# Altium PCB HUB V1.3B.240322_TG.PcbDoc (continued)
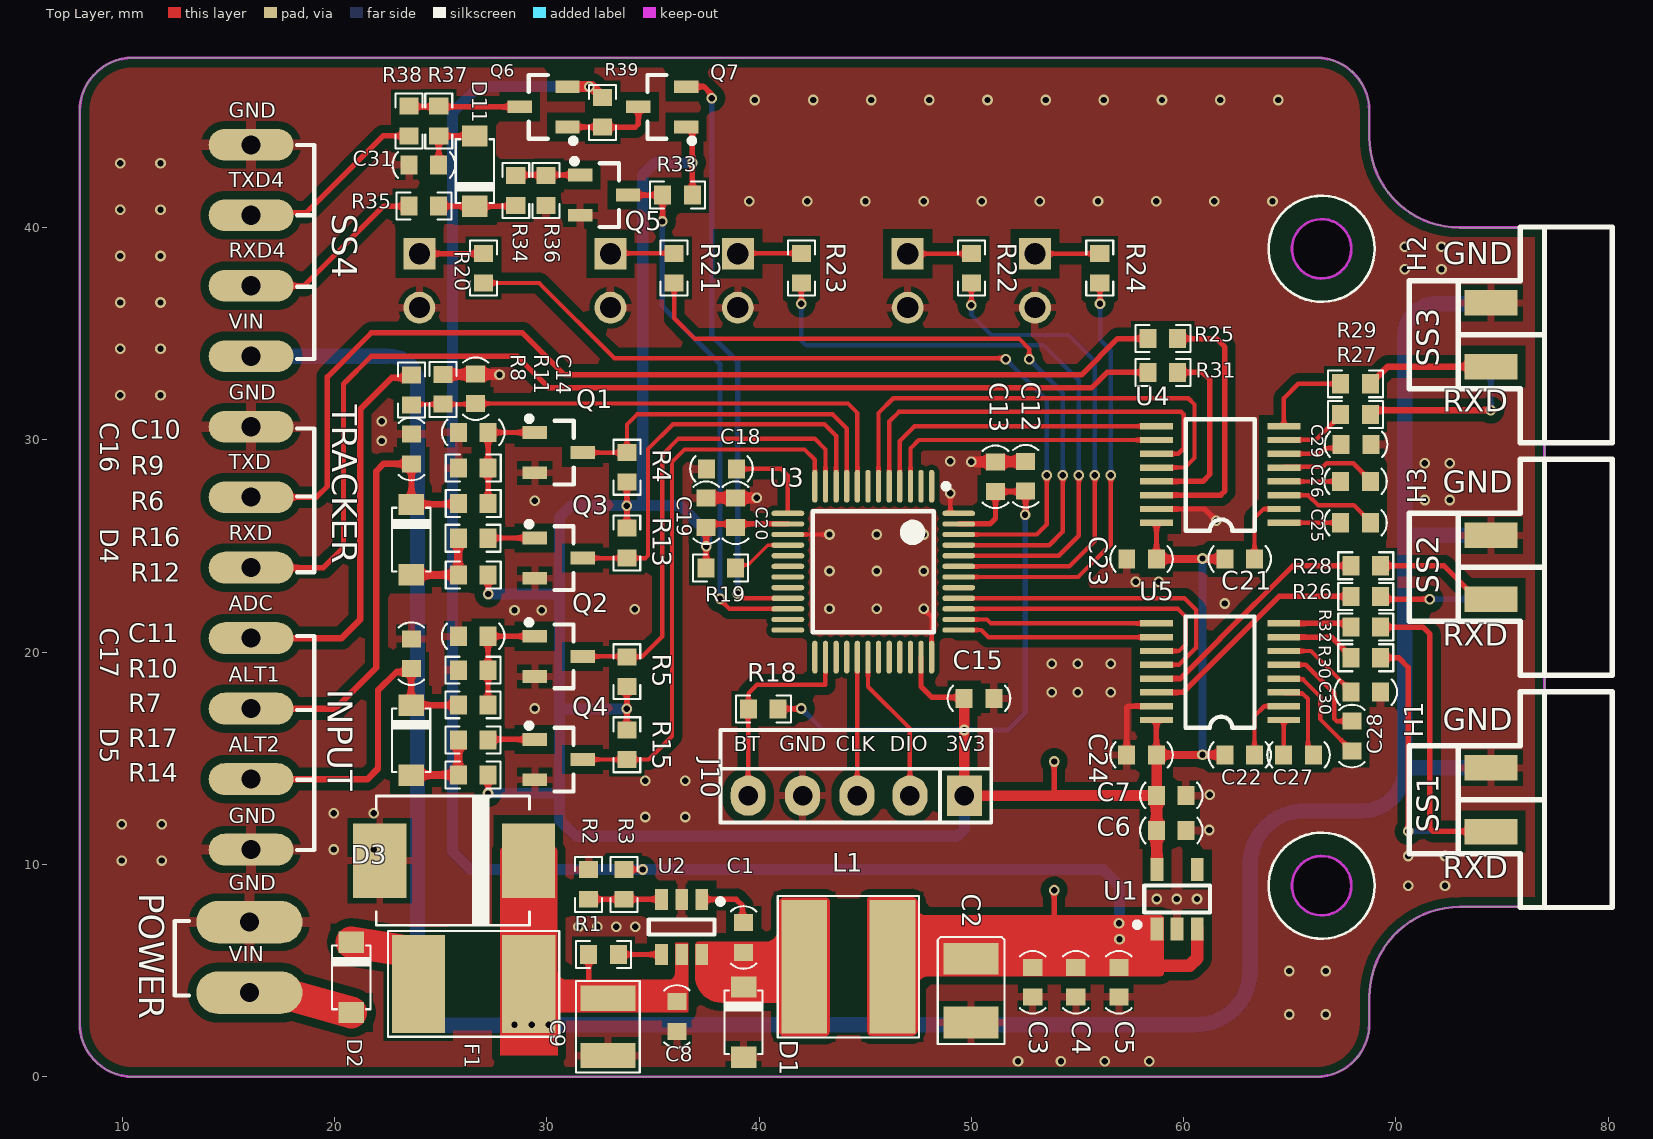
[diagram p0: Top Layer view]
## Footprints (in the part's own frame and the unit in brackets; to place one, negate y for a bottom-side part, rotate by r counter-clockwise, add the part's x,y. Pads: shape width x height; smd on the part's side, far side on the other; paste and mask are expansions set on the pad) (continued)
  oval 4x1.5 hole 0.9 paste-0.75: 1(0,0)
TP1#2 [mm] "TP1, 1mm, 1 layer"
  oval 5x2 hole 0.9 paste-0.75: 1(0,0)
TP1#3 [mm] "TP1, 1mm, 1 layer"
  oval 4x1.5 hole 0.9 paste-0.75: 1(0,0.5)
TSSOP16 [mm] "TSSOP16, 16-Leads, Body 4.4x5.0mm, Pitch 0.65mm, IPC High Density"
  rect 1.55x0.3 smd: 1(-3,2.275) 2(-3,1.625) 3(-3,0.975) 4(-3,0.326) 5(-3,-0.325) 6(-3,-0.975) 7(-3,-1.625) 8(-3,-2.275) 9(3,-2.275) 10(3,-1.625) 11(3,-0.975) 12(3,-0.325) 13(3,0.326) 14(3,0.975) 15(3,1.625) 16(3,2.275)
  silkscreen extent -1.63,-2.6 1.63,2.65, body extent -3.15,-2.5 3.25,2.5, height 1.2

## Part data
C1 C3 C5 C7 C8 C13 C14 C15 C16 C17 C20 C21 C22 C23 C24 C25 C26 C27 C28 C29 C30 C31: library part "Cap 0603 100nF", "CAP CER 100nF 50V C0G/NP0 0603", MFR=SAMSUNG, MPN=CL10C104JB8NNNC, Package=0603, Voltage=50V, Size="C0603: 100nF"
  C1 C3 C8 C13 C15 C16 C17 C20 C21 C22 C23 C24 C25 C26 C27 C28 C29 C30: Company ID="VT_TỤ ĐIỆN_C0603 100nF"
  C5 C7 C14 C31: Company ID="VT_CAP_C0603 100nF"
C2: library part "Cap Tan 3528 100uF/6.3V", "CAP TANT 100UF 6.3V 10% 1411", MFR=Kemet, MPN=T491B107K006AT, Company ID="VT_CAP TAN 100uF 6.3V"
C4 C6: library part "Cap 0603 10uF", "CAP CER 10UF 16V X5R 0603", MFR=Yageo, MPN=EMK107BBJ106MA-T, Package=0603, Company ID="VT_CAP_C0603 10uF", Size="C0603: 10uF"
C9: library part "Cap 1210 3.3uF", "CAP CER 3.3UF 100V X7S 1210", MFR="TDK Corporation", MPN=C3225X7S2A335M200AB, MPN2=885012209071, Company ID="VT_CAP_C1210 3.3uF 100V", Size="C1210: 3.3uF/100V"
C10 C11: library part "Cap 0603 22pF", "CAP CER 22PF 50V C0G/NP0 0603", MFR=SAMSUNG, MPN=CL10C220JB8NNNC, Company ID="VT_TỤ ĐIỆN_C0603 22pF", Size="C0603: 22pF"
C12 C18 C19: library part "Cap 0603 2.2uF", "CAP CER 2.2UF 50V X5R 0603", MFR="Murata Electronics", MPN=GRM188R61H225KE11J, Company ID="VT_CAP_C0603 2.2uF", Size="C0603: 2.2uF"
D1 D2: library part "Diode PMEG6020ER", "DIODE SCHOTTKY 60V 2A SOD123W", MFR=NXP, MPN=PMEG6020ER,115, Company ID=VT_DIODE_PMEG6020ER
D3: "TVS DIODE 33V 36.7V", MFR="Bourns Inc.", MPN=SMCJ33ABTR-ND, Company ID="VT_DIODE_ SMCJ33"
D4 D5 D11: library part "Diode 1N4148", "DIODE GEN PURP 100V 300MA SOD123", MFR=DIODES, MPN=1N4148W-7-F, Company ID=VT_DIODE_1N4148W-7-F
D6 D7 D8: MFR=xx, MPN=xx
  D6: Company ID=VT_LED_3mm_Green
  D7 D8: Company ID=VT_LED_3mm_RED
D9 D10: MFR=China, MPN=xx, Company ID=VT_LED_3mm_Blue
F1: library part "Fuse 60V - 750mA", "PTC RESET FUSE 60V 750MA 2016", MFR="Littelfuse Inc.", MPN=2016L075/60MR, Company ID="VT_Fuse_60V - 750mA"
H1 H2 H3: library part "HD2x2 S", "Micro-Fit 3.0™ Straight Header, 3.00mm Pitch, Dual Row, 4 Circuits", MFR=China, MPN=M3045-2x2-B, MPN2=43045-, Company ID="VT_CONN_2*2 (M3045)"
J1 J2 J3 J4 J5 J6 J7 J8 J9 J11 J12 J13 J14: library part TP, "1mm - 1 layer"
J10: library part JP5, "Jumper 5, 2.54mmx5"
L1: library part "Inductor 33uH, 1.5A", "FIXED IND 33UH 1.5A 286 MOHM SMD", MFR=SunLord, MPN=SWPA6028S330MT, Company ID=VT_IND_33uH/1.5A
Q1 Q2 Q3 Q4: library part "Transistor DTC143Z", "TRANS PREBIAS NPN 200MW SMT3", MFR=Rohm, MPN=DTC143ZKAT146, MPN2=TDTC143Z,LM(T, Company ID=VT_TRANSISTOR_DTC143Z
Q5 Q7: library part "Transistor 2N3904", "TRANS NPN 40V 0.2A SOT-23", MFR=Fairchild, MPN=MMBT3904, Company ID=VT_TRANSISTOR_3904
Q6: library part "Transistor 2N3906", "TRANS PNP 40V 0.2A SOT23", MFR=Fairchild, MPN=MMBT3906, Company ID=VT_TRANSISTOR_3906
R1: library part "Res 0603 1M", "RES SMD 1M OHM 1% 1/10W 0603", MFR=Yageo, MPN=RC0603FR-071ML, Company ID="VT_ĐIỆN TRỞ_R0603 1M"
R2: library part "Res 0603 15K", "RES SMD 15K OHM 1% 1/10W 0603", MFR=Yageo, MPN=RC0603FR-0715KL, Company ID="VT_ĐIỆN TRỞ_R0603 15K", Size="R0603: 15K"
R3: library part "Res 0603 82K", "RES SMD 82K OHM 1% 1/10W 0603", MFR=Yageo, MPN=RE0603FRE0782KL, Company ID="VT_RES_R0603 82K", Size="R0603: 82K"
R4 R5 R6 R7 R8 R11 R12 R13 R14 R15 R16 R17 R18 R19 R33 R34 R36 R37: library part "Res 0603 10K", "RES SMD 10K OHM 1% 1/10W 0603", MFR=Yageo, MPN=RC0603FR-0710KL, Size="R0603: 10K"
  R4 R5 R6 R7 R8 R11 R12 R13 R14 R15 R16 R17 R19: Company ID="VT_ĐIỆN TRỞ_R0603 10K"
  R18 R33 R34 R36 R37: Company ID="VT_RES_R0603 10K"
R9 R10: library part "Res 0603 5.6K", "RES SMD 5.6K OHM 1% 1/10W 0603", MFR=Yageo, MPN=RC0603FR-075K6L, Company ID="VT_ĐIỆN TRỞ_R0603 5.6K", Size="R0603: 5.6K"
R20 R21 R22 R23 R24 R25 R26 R27 R28 R29 R30 R31 R32 R35 R38 R39: library part "Res 0603 1K", "RES SMD 1K OHM 1% 1/10W 0603", MFR=Yageo, MPN=RC0603FR-071KL, Size="R0603: 1K"
  R20 R21 R22 R23 R24 R25 R26 R27 R28 R29 R30 R31 R32: Company ID="VT_RES_R0603 1K"
  R35 R38 R39: Company ID="VT_ĐIỆN TRỞ_R0603 1K"
U1: "IC REG LINEAR 3.3V 300MA SOT23-5", MFR=TI, Company ID=VT_IC_TLV73333, MPN=TLV73333PDBVR
U2: "52V/600mA, 1.25MHz/550kHz / Asynchronous Step Down Converter", MFR=Holtek, Company ID=VT_IC_HT7463A/HT7463B, MPN=HT7463A/HT7463B
U3: library part "HT32F52253 48 LQFP-A", "HT32F52253 48 LQFP-A", MFR=Holtek, Company ID="VT_IC_HT32F52253_48 LQFP-A", MPN="HT32F52253 48 LQFP-A"
U4 U5: library part MAX3232IPW, "IC DRVR/RCVR MLTCH RS232 16TSSOP", MFR=TI, MPN=MAX3232IPWR, Company ID=VT_IC_MAX3232IPW

## Via types
v1: diameter 0.5, hole 0.3, Top Layer to Bottom Layer, tented both sides, 142 vias

## Nets (pads, with @x,y where several pads share a name; then routed paths per layer and width w, separated by ;. In a path a pad name is that pad's centre, name@x,y a point inside that pad or via, vN(x,y) a via of type N, cw(c..) or ccw(c..) an arc to the next point about the centre after c; other vN are vias at no path point)
3V3: C6.2 C7.2 C12.2 C13.1 C15.2 C19.2 C20.1 C21.2 C22.2 C23.1 C24.1 J10.1 Q7.1 R4.2 R5.2 R12.2 R13.2 R14.2 R15.2 R18.1 R19.1 R33.2 U1.5 U3.14 U3.35 U3.47 U4.16 U5.16 | length 86.2
  Top Layer w0.254: v1(27.232,13.342) R14.2 ; v1(27.235,22.738) R12.2 ; R15.2 v1(33.77,17.33) R5.2 ; R13.2 33.775,25.845 v1(33.775,26.9) R4.2 ; Q7.1 36.687,44.74 36.86,44.567 v1(36.86,43.049) R33.2 ; R19.1 37.51,23.99 v1(37.51,24.99) 37.51,25.866 C19.2 37.68,26.04 U3.14 ; R18.1 41.975,17.33 v1(41.99,17.345) ; U3.35 47.63,18.39 48.15,17.87 49.61,17.87 C15.2 ; U3.47 50.87,26.04 51.135,26.305 C13.1 52.532,27.562 C12.2 52.56,26.568 52.53,26.538 v1(52.53,26.476) ; 53.86,13.25 53.9,13.29 v1(53.9,14.85) ; C24.1 U5.16 ; C23.1 U4.16
  Top Layer w0.381: C24.1 v1(60.89,15.16) C22.2 ; C23.1 C21.2
  Top Layer w0.5: C15.2 49.66,13.25 J10.1 54.106,13.24 54.116,13.25
  Top Layer w0.508: 53.86,13.25 54.116,13.25 C7.2 ; C24.1 58.729,15.149 58.729,9.771 U1.5
  Bottom Layer w0.254: v1(41.99,17.345) 43,16.335 v1(49.67,16.335) 51.73,16.335 52.53,17.135 v1(52.53,26.476)
  Bottom Layer w0.381: v1(60.89,15.16) v1(60.89,24.41)
5V: C2.1 C3.2 C4.2 C5.2 L1.2 Q6.2 R3.2 R39.2 U1.1 U1.3 | length 8.2
  Top Layer w0.254: R3.2 34.516,9.76 v1(34.52,9.764) ; 53.9,6.95 v1(53.9,8.79) v1@53.9,8.92
  Top Layer w0.508: Q6.2 v1(31.995,46.64) 32.12,46.64 32.434,46.326 32.434,46.276 32.58,46.13 R39.2
  Top Layer w0.6: 58.729,5.233 60.289,5.233 60.64,5.584 U1.3
  other v1: 56.98,6.478 56.954,7.224
ACT_RXD: H2.2 R29.2 | length 6
  Top Layer w0.3: R29.2 68.794,32.692 69.044,32.942 69.094,32.942 69.602,33.45 H2.2
ACT_TXD: H2.1 R27.2 | length 7.8
  Top Layer w0.3: R27.2 68.993,31.4 v1(74.47,31.4)
  Bottom Layer w0.254: v1(74.47,31.4) 74.47,33.445 H2.1
ADC_5V: J8.1 R8.2 | length 18.5
  Top Layer w0.3: J8.1 20.33,20.66 21.208,21.538 21.208,31.438 22.696,32.926 23.496,32.926 R8.2
ADC_IN: C14.2 R8.1 R11.2 U3.8 | length 24.7
  Top Layer w0.203: R8.1 23.65,31.68 26.62,31.68 C14.2 44.19,31.71 44.63,31.27 U3.8
ALT1: C16.2 D4.2 J6.1 R6.1 | length 21.9
  Top Layer w0.3: J6.1 20.042,17.34 21.97,19.268 21.97,28.53 22.31,28.87 C16.2 D4.2@23.625,26.962 ; D4.2 D4.2@23.625,26.962 ; R6.1 25.813,26.973 23.636,26.973 D4.2@23.625,26.962
ALT2: C17.2 D5.2 J7.1 R7.1 | length 15.8
  Top Layer w0.3: J7.1 21.552,14.02 22.05,14.518 22.05,18.201 22.906,19.057 23.447,19.057 C17.2 23.612,19.222 D5.2 25.812,17.502 R7.1
BOOT: J10.5 R18.2 U3.26 | length 9.9
  Top Layer w0.203: J10.5 39.485,17.315 R18.2 39.5,18.065 39.896,18.461 43.121,18.461 43.121,19.774 U3.26
CB1_ACT: R21.1 U3.45 | length 33.4
  Top Layer w0.203: R21.1 36,36.39 36,35.73 36.96,34.77 52.242,34.77 52.727,34.285 v1(52.727,33.8) ; U3.45 53.669,25.04 54.308,25.679 v1(54.308,28.33)
  Bottom Layer w0.203: v1(52.727,33.8) 54.308,32.219 v1(54.308,28.33)
CB1_SOJI: R23.1 U3.44 | length 29.9
  Top Layer w0.203: v1(41.99,36.42) 41.99,37.38 R23.1 ; U3.44 54.116,24.54 55.062,25.486 v1(55.062,28.33)
  Bottom Layer w0.203: v1(41.99,36.42) 41.99,34.68 42.218,34.452 53.418,34.452 55.062,32.808 v1(55.062,28.33)
CB2_ACT: R22.1 U3.43 | length 23.6
  Top Layer w0.203: U3.43 54.616,24.04 55.816,25.24 v1(55.816,28.33) ; v1(50,36.35) R22.1
  Bottom Layer w0.203: v1(50,36.35) 50,35.88 50.937,34.942 54.592,34.942 55.816,33.718 v1(55.816,28.33)
CB2_SOJI: R24.1 U3.42 | length 20.3
  Top Layer w0.203: U3.42 55.03,23.54 56.564,25.074 56.564,28.324 v1(56.57,28.33) ; R24.1 56.06,37.38 v1(56.06,36.42)
  Bottom Layer w0.203: v1@56.07,36.41 56.07,34.704 56.57,34.204 v1(56.57,28.33)
DVR_RXD: J2.1 R31.2 | length 51.8
  Top Layer w0.254: J2.1 19.482,23.98 20.422,24.92 20.422,32.632 21.73,33.94 28.605,33.94 30.095,32.45 55.66,32.45 56.39,33.18 R31.2
DVR_TXD: J1.1 R25.2 | length 50
  Top Layer w0.254: J1.1 19.145,27.3 19.66,27.815 19.66,32.97 21.73,35.04 28.855,35.04 30.835,33.06 55.18,33.06 56.89,34.77 R25.2
GND: C2.2 C3.1 C4.1 C5.1 C6.1 C7.1 C8.1 C9.1 C10.1 C11.1 C12.1 C13.2 C14.1 C15.1 C16.1 C17.1 C18.2 C19.1 C20.2 C23.2 C24.2 C29.2 C30.2 C31.1 D1.1 D3.1 D6.2 D7.2 D8.2 D9.2 D10.2 H1.4 H2.4 H3.4 J4.1 J5.1 J9.1 J10.4 J14.1 Q1.2 Q2.2 Q3.2 Q4.2 Q5.2 R2.2 R9.1 R10.1 R11.1 R36.2 U1.2 U2.2 U3.15 U3.36 U3.48 U4.15 U5.15 | length 20.1
  Top Layer w0.2: U3.15 v1(43.32,25.54)
  Top Layer w0.203: Q3.2 Q3.2@29.44,23.475 ; v1(47.75,22.04) 48.13,21.66 U3.36 ; v1(49.01,27.48) 49.01,26.562 49.032,26.54 U3.48
  Top Layer w0.254: C24.2 57.318,17.388 57.385,17.455 U5.15 ; U4.15 60.991,26.745 v1(61.538,26.198)
  Top Layer w0.5: R11.1 27.75,33.08 v1(27.77,33.06) ; C19.1 v1(39.896,27.268) ; v1(50,28.962) C13.2 51.15,28.976 52.546,28.976 C12.1
  other v1: 52.2,0.732 54.22,0.732 56.29,0.732 58.379,0.732 64.97,2.93 66.7,2.93 64.97,4.98 66.7,4.98 31.495,7.07 32.386,7.07 33.277,7.07 34.168,7.07 58.729,8.374 59.679,8.374 60.63,8.374 70.58,9 72.31,9 9.969,10.183 11.86,10.183 70.58,10.4 72.31,10.4 19.959,10.703 21.85,10.703 61.21,11.62 9.969,11.89 11.86,11.89 26.982,12.232 34.635,12.232 36.526,12.232 19.959,12.41 21.85,12.41 61.23,13.29 34.635,13.939 36.526,13.939 29.435,17.345 53.785,18.12 55.01,18.12 56.57,18.12 53.785,19.45 55.01,19.45 56.57,19.45 28.48,21.974 29.757,21.974 34.15,22.023 43.32,22.04 45.535,22.04 61.938,22.293 57.752,23.31 58.82,23.31 43.32,23.823 45.535,23.823 47.75,23.823 45.535,25.54 47.75,25.54 29.44,27.14 71.366,27.17 72.53,27.17 71.365,28.9 72.53,28.9 49.01,28.99 22.233,29.95 22.233,30.87 9.912,32.098 11.803,32.098 9.912,34.286 11.803,34.286 9.912,36.473 11.803,36.473 70.42,38.03 72.15,38.03 9.912,38.661 11.803,38.661 70.42,39.09 72.15,39.09 9.912,40.849 11.803,40.849 39.532,41.245 42.271,41.245 45.011,41.245 47.75,41.245 50.49,41.245 53.229,41.245 55.969,41.245 58.708,41.245 61.448,41.245 64.187,41.245 9.912,43.037 11.803,43.037 39.804,46.012 42.544,46.012 45.283,46.012 48.023,46.012 50.762,46.012 53.502,46.012 56.241,46.012 58.981,46.012 61.72,46.012 64.46,46.012
MCU_ALT1.0: Q3.3 R13.1 U3.10 | length 20.1
  Top Layer w0.203: Q3.3 34.651,24.43 34.77,24.549 34.77,29.57 35.94,30.74 43.085,30.74 43.63,30.195 U3.10
MCU_ALT1.1: Q1.3 R4.1 U3.9 | length 17
  Top Layer w0.203: Q1.3 33.765,29.4 R4.1 33.775,30.725 34.251,31.201 43.469,31.201 44.13,30.54 U3.9
MCU_ALT2.0: Q4.3 R15.1 U3.12 | length 26
  Top Layer w0.203: Q4.3 R15.1 34.798,14.94 35.897,16.039 35.897,28.962 36.485,29.55 42.14,29.55 42.621,29.069 42.621,27.824 U3.12
MCU_ALT2.1: Q2.3 R5.1 U3.11 | length 22.7
  Top Layer w0.203: Q2.3 33.75,19.8 R5.1 34.481,19.78 35.44,20.739 35.44,29.292 36.208,30.06 42.62,30.06 43.13,29.55 U3.11
MCU_UART3_RX: Q5.3 R33.1 U3.22 | length 25.2
  Top Layer w0.2: v1(38.16,22.51) 38.16,22.489 38.609,22.04 U3.22
  Top Layer w0.254: Q5.3 R33.1 35.46,40.31 v1(35.44,40.29)
  Bottom Layer w0.254: v1(35.44,40.29) 35.44,36.29 38.16,33.57 v1(38.16,22.51)
MCU_UART3_TX: Q7.2 U3.21 | length 27.8
  Top Layer w0.2: v1(39,22.75) 39.081,22.75 39.291,22.54 U3.21
  Top Layer w0.254: Q7.2 37.4,46.64 37.723,46.317 37.723,46.147 v1(37.77,46.1)
  Bottom Layer w0.254: v1(37.77,46.1) 37.77,34.895 39,33.665 v1(39,22.75)
NetC1_1: C1.1 U2.1 | length 2.9
  Top Layer w0.254: U2.1 38.923,8.353 39.22,8.057 39.22,7.26 C1.1
NetC1_2: C1.2 D1.2 L1.1 U2.6
NetC10_2: C10.2 Q1.1 R6.2 R9.2 | length 5.6
  Top Layer w0.254: R6.2 R9.2 C10.2 Q1.1
NetC11_2: C11.2 Q2.1 R7.2 R10.2 | length 5.4
  Top Layer w0.254: R7.2 R10.2 C11.2 Q2.1
NetC18_1: C18.1 U3.13 | length 4.3
  Top Layer w0.203: C18.1 41.044,28.635 41.355,28.324 U3.13
NetC21_1: C21.1 U4.2 | length 3.5
  Top Layer w0.203: C21.1 63.34,26.32 63.765,26.745 U4.2
NetC22_1: C22.1 U5.2 | length 3.4
  Top Layer w0.203: C22.1 63.338,16.998 63.795,17.455 64.708,17.455 64.713,17.45 U5.2
NetC25_1: C25.1 U4.1 | length 2.7
  Top Layer w0.2: U4.1 C25.1
NetC25_2: C25.2 U4.3 | length 4.6
  Top Layer w0.2: U4.3 65.867,27.395 66.336,26.926 68.013,26.926 68.794,26.145 C25.2
NetC26_1: C26.1 U4.4 | length 2.7
  Top Layer w0.2: U4.4 C26.1
NetC26_2: C26.2 U4.5 | length 4.5
  Top Layer w0.2: U4.5@64.756,28.731 66.569,28.731 66.738,28.9 67.988,28.9 68.794,28.094 C26.2
NetC27_1: C27.1 U5.1 | length 1.2
  Top Layer w0.2: 64.708,15.635 64.718,15.645 U5.1
NetC27_2: C27.2 U5.3 | length 4
  Top Layer w0.2: U5.3 64.768,18.055 65.604,18.055 65.853,17.806 65.853,15.42 C27.2
NetC28_1: C28.1 U5.4 | length 5.3
  Top Layer w0.2: U5.4 64.754,18.719 65.631,18.719 66.431,17.919 66.431,16.848 67.579,15.7 67.579,15.65 67.879,15.35 C28.1
NetC28_2: C28.2 U5.5 | length 5
  Top Layer w0.2: U5.5 65.756,19.405 67.094,18.067 67.094,16.867 67.211,16.75 C28.2
NetC29_1: C29.1 U4.6 | length 2.9
  Top Layer w0.203: U4.6 66.402,29.345 66.668,29.61 67.247,29.61 C29.1
NetC30_1: C30.1 U5.6 | length 4
  Top Layer w0.2: U5.6 65.993,20.055 67.879,18.17 C30.1
NetC31_2: C31.2 D11.1 R37.1 | length 3.1
  Top Layer w0.254: C31.2 R37.1 26.602,44.32 D11.1
NetD2_1: D2.1 J3.1 | length 5
  Top Layer w0.965: J3.1 J3.1@16.006,3.944
  Top Layer w1.5: J3.1 17.49,3.96 D2.1
NetD2_2: D2.2 F1.1 | length 4.3
  Top Layer w1.5: D2.2 23.45,5.92 F1.1
NetD4_1: D4.1 R12.1 R16.2 | length 4
  Top Layer w0.254: D4.1 D4.1@23.623,23.64 ; R12.1@25.83,23.645 R12.1
  Top Layer w0.381: D4.1@23.623,23.64 R12.1 ; R12.1@25.83,23.645 R16.2
NetD5_1: D5.1 R14.1 R17.2 | length 3.9
  Top Layer w0.381: D5.1 23.634,14.22 R14.1 25.83,14.222 R17.2
NetD6_1: D6.1 R20.2 | length 3
  Top Layer w0.254: D6.1 27,38.77 R20.2
NetD7_1: D7.1 R21.2 | length 3
  Top Layer w0.203: D7.1 33.02,38.79 R21.2
NetD8_1: D8.1 R22.2 | length 3
  Top Layer w0.203: D8.1 49.98,38.77 R22.2
NetD9_1: D9.1 R23.2 | length 3
  Top Layer w0.203: D9.1 39.02,38.79 R23.2
NetD10_1: D10.1 R24.2 | length 3.1
  Top Layer w0.203: D10.1 56.03,38.77 R24.2
NetD11_2: D11.2 R34.1 R35.1 | length 3.6
  Top Layer w0.254: R35.1 28.5,41.01 R34.1
NetQ3_1: Q3.1 R16.1 | length 2.2
  Top Layer w0.254: R16.1 27.243,25.38 Q3.1
NetQ4_1: Q4.1 R17.1 | length 2.2
  Top Layer w0.254: R17.1 27.26,15.89 Q4.1
NetQ5_1: Q5.1 R34.2 R36.1 | length 3
  Top Layer w0.254: R34.2 28.57,42.48 Q5.1
NetQ6_1: Q6.1 Q7.3 R39.1 | length 4.2
  Top Layer w0.254: Q6.1 32.62,44.74 R39.1 34.166,44.73 34.315,44.879 Q7.3
NetQ6_3: Q6.3 R37.2 R38.1 | length 5.2
  Top Layer w0.254: R38.1 23.54,45.69 Q6.3
NetR1_2: R1.2 U2.4 | length 2
  Top Layer w0.254: R1.2 35.406,5.756 U2.4
NetR2_1: R2.1 R3.1 U2.3 | length 3.4
  Top Layer w0.254: R2.1 R3.1 35.406,8.36 U2.3
NetR25_1: R25.1 U4.14 | length 12.5
  Top Layer w0.254: U4.14 61.743,27.395 61.938,27.59 61.938,34.37 61.538,34.77 R25.1
NetR26_1: R26.1 U5.14 | length 11
  Top Layer w0.254: U5.14 59.978,18.105 62.249,20.376 62.249,20.383 64.492,22.625 R26.1
NetR27_1: R27.1 U4.7 | length 3.2
  Top Layer w0.2: U4.7@64.734,30.008 66.237,30.008 67.08,30.851 67.094,30.851 67.394,31.151 R27.1
NetR28_1: R28.1 U5.13 | length 11.4
  Top Layer w0.254: U5.13 59.845,18.755 61.695,20.605 61.695,20.612 65.153,24.07 R28.1
NetR29_1: R29.1 U4.8 | length 4.3
  Top Layer w0.2: U4.8 64.72,31.963 65.398,32.642 R29.1
NetR30_1: R30.1 U5.7 | length 3.6
  Top Layer w0.254: U5.7 66.96,20.705 67.88,19.785 R30.1
NetR31_1: R31.1 U4.13 | length 8.8
  Top Layer w0.254: U4.13 60.905,28.044 61.23,28.37 61.23,32.84 60.89,33.18 R31.1
NetR32_1: R32.1 U5.8 | length 3.2
  Top Layer w0.254: U5.8 67.705,21.355 R32.1
NRST: R19.2 U3.16 | length 2.9
  Top Layer w0.152: R19.2@38.89,24.1 39.46,24.1 40.4,25.04 U3.16
RFID_RXD: H1.2 R32.2 | length 14.5
  Top Layer w0.254: R32.2 71.274,21.18 71.6,20.854 71.6,11.706 71.749,11.557 74.468,11.557 H1.2
RFID_TXD: H1.1 R30.2 | length 13.1
  Top Layer w0.254: R30.2 70.135,19.735 70.58,19.29 v1(70.58,11.557)
  Bottom Layer w0.254: v1(70.58,11.557) 74.468,11.557 H1.1
RUN: R20.1 U3.46 | length 39
  Top Layer w0.203: R20.1 29.64,37.39 33.179,33.851 51.569,33.851 v1(51.62,33.8) ; U3.46 53.082,25.54 53.554,26.012 v1(53.554,28.33)
  Bottom Layer w0.203: v1(51.62,33.8) 53.554,31.866 v1(53.554,28.33)
SOJI_RXD: H3.2 R28.2 | length 5.8
  Top Layer w0.254: R28.2 72.255,24.07 73.825,22.5 H3.2
SOJI_TXD: H3.1 R26.2 | length 5.2
  Top Layer w0.254: R26.2 69.405,22.5 v1(71.6,22.5)
  Bottom Layer w0.254: v1(71.6,22.5) H3.1
SS4_RXD: J12.1 R35.2 | length 9
  Top Layer w0.254: J12.1 18.562,37.26 22.312,41.01 R35.2
SS4_TXD: J11.1 R38.2 | length 9
  Top Layer w0.254: J11.1 16.201,40.711 18.681,40.711 22.29,44.32 R38.2
SWCLK: J10.3 U3.29 | length 6.5
  Top Layer w0.203: J10.3 44.623,13.247 44.623,19.758 U3.29
SWDIO: J10.2 U3.30 | length 7.3
  Top Layer w0.203: U3.30 45.13,18.375 47.105,16.4 J10.2
UR1_RX: U3.40 U5.12 | length 15.4
  Top Layer w0.203: U3.40 60.04,22.54 60.59,21.99 60.59,20.215 59.78,19.405 U5.12
UR1_TX: U3.39 U5.11 | length 13.7
  Top Layer w0.203: U3.39 59.733,22.04 60.093,21.68 60.093,20.365 59.783,20.055 U5.11
UR2_RX: U3.38 U5.9 | length 9.4
  Top Layer w0.203: U3.38 50.74,21.54 50.925,21.355 U5.9
UR2_TX: U3.37 U5.10 | length 9.5
  Top Layer w0.203: U3.37 50.47,21.04 50.805,20.705 U5.10
USR0_RX: U3.4 U4.9 | length 14.5
  Top Layer w0.203: U3.4 46.63,29.95 47.325,30.645 U4.9
USR0_TX: U3.3 U4.10 | length 13.5
  Top Layer w0.203: U3.3 47.13,29.6 47.525,29.995 U4.10
USR1_RX: U3.6 U4.12 | length 23.2
  Top Layer w0.203: U3.6 45.63,31.27 46.32,31.96 60.22,31.96 60.51,31.67 60.51,29.145 60.06,28.695 U4.12
USR1_TX: U3.5 U4.11 | length 20.2
  Top Layer w0.203: U3.5 46.13,30.865 46.585,31.32 59.891,31.32 60.01,31.201 60.01,29.61 59.745,29.345 U4.11
VIN: C8.2 C9.2 D3.2 F1.2 H1.3 H2.3 H3.3 J13.1 R1.1 U2.5 | length 7.1
  Top Layer w0.254: R1.1 31.976,4.604 ccw(c32.88,4.604) C9.2
  Top Layer w1: D3.2@29.14,10.03 29.145,10.025 29.145,5.495 F1.2@29.15,5.49
  other v1: 28.48,2.45 29.285,2.45 30.09,2.45
pads on no net: U1.4 U3.1 U3.2 U3.7 U3.17 U3.18 U3.19 U3.20 U3.23 U3.24 U3.25 U3.27 U3.28 U3.31 U3.32 U3.33 U3.34 U3.41

## Polygon pours and split planes (outlines as drawn)
GND on Bottom Layer "BOT GND" (solid, remove dead copper, pour order 0): 8,2.5 ccw(c10.5,2.5) 10.5,0 66.25,0 ccw(c66.25,2.5) 68.75,2.5 68.75,3.75 cw(c73,3.75) 73,8 77,8 77,40 73,40 cw(c73,44.25) 68.75,44.25 68.75,45.5 ccw(c66.25,45.5) 66.25,48 10.5,48 ccw(c10.5,45.5) 8,45.5
GND on Top Layer "TOP GND" (solid, remove dead copper, pour order 1): 8,2.5 ccw(c10.5,2.5) 10.5,0 66.25,0 ccw(c66.25,2.5) 68.75,2.5 68.75,3.75 cw(c73,3.75) 73,8 77,8 77,40 73,40 cw(c73,44.25) 68.75,44.25 68.75,45.5 ccw(c66.25,45.5) 66.25,48 10.5,48 ccw(c10.5,45.5) 8,45.5

## Keep-outs
Keep-Out Layer:
  circle w0.127: c66.5,39 r1.4
  circle w0.127: c66.5,9 r1.4
  lines w0.127: 8,2.5 ccw(c10.5,2.5) 10.5,0 66.25,0 ccw(c66.25,2.5) 68.75,2.5 68.75,3.75 cw(c73,3.75) 73,8 77,8 77,40 73,40 cw(c73,44.25) 68.75,44.25 68.75,45.5 ccw(c66.25,45.5) 66.25,48 10.5,48 ccw(c10.5,45.5) 8,45.5 8,2.5

## Other copper
Top Layer:
  pour cut-out: 30.415,29.65 30.418,29.653 30.897,29.653 30.897,29.67 30.724,29.842 30.235,29.842
  pour cut-out: 69.389,25.573 69.389,24.861 69.545,24.705 69.545,25.417
  pour cut-out: 57.066,25.094 57.694,25.094 57.694,24.865 57.066,24.865
  pour cut-out: 66.5,6.5 cw(c66.5,9) 64,9 cw(c66.5,9) 66.5,11.5 cw(c66.5,9) 69,9 cw(c66.5,9)
  pour cut-out: 66.5,36.5 cw(c66.5,39) 64,39 cw(c66.5,39) 66.5,41.5 cw(c66.5,39) 69,39 cw(c66.5,39)
  region net 5V: 58.934,4.744 ccw(c58.934,4.87) 59.06,4.87 59.06,7.46 ccw(c58.92,7.46) 58.92,7.6 47.844,7.6 cw(c47.842,7.962) 47.48,7.96 47.48,8.19 ccw(c47.22,8.19) 47.22,8.45 45.22,8.45 ccw(c45.22,8.335) 45.105,8.335 45.105,2.13 ccw(c45.314,2.13) 45.314,1.921 47.16,1.921 ccw(c47.16,2.241) 47.48,2.241 47.48,4.254 cw(c47.97,4.254) 47.97,4.744
  region net VIN: 30.72,3.03 ccw(c30.72,2.837) 30.526,2.836 30.526,1 27.802,1 27.802,7.742 27.802,10.602 cw(c28.064,10.602) 28.064,10.864 30.23,10.864 cw(c30.23,10.594) 30.5,10.594 30.5,8.599 30.5,5 ccw(c30.94,5) 30.94,4.56 35.713,4.56 ccw(c35.713,4.897) 36.05,4.897 36.05,6.285 cw(c36.08,6.285) 36.08,6.315 36.604,6.315 cw(c36.604,6.263) 36.656,6.263 36.656,3.086 cw(c36.6,3.086) 36.6,3.03
  region net NetC1_2: 37.176,6.36 ccw(c37.176,6.172) 36.988,6.172 36.988,4.742 ccw(c38.24,4.742) 38.24,3.49 40.76,3.49 cw(c40.76,3.3) 40.95,3.3 40.95,2.12 ccw(c41.17,2.12) 41.17,1.9 43.09,1.9 ccw(c43.09,2.13) 43.32,2.13 43.32,8.256 ccw(c43.14,8.256) 43.14,8.436 41.166,8.436 ccw(c41.166,8.21) 40.94,8.21 40.94,7.02 cw(c40.28,7.02) 40.28,6.36
  pour cut-out: 43.33,1.956 43.33,8.4 45.09,8.4 45.09,1.956
  pour cut-out: 25.3,2.169 25.3,7.129 27.8,7.129 27.8,2.169
Bottom Layer:
  region net 3V3: 27.232,13.092 30.35,13.092 30.35,12.1 ccw(c30.6,12.1) 30.423,11.923 31.193,11.153 ccw(c31.37,11.33) 31.37,11.08 49.35,11.08 ccw(c49.35,11.33) 49.527,11.153 49.847,11.473 ccw(c49.67,11.65) 49.92,11.65 49.92,13.24 ccw(c49.67,13.24) 49.42,13.24 49.42,11.754 49.246,11.58 31.474,11.58 30.85,12.204 30.85,17.08 33.77,17.08 ccw(c33.77,17.33) 34.02,17.33 ccw(c33.77,17.33) 33.77,17.58 30.85,17.58 30.85,26.258 31.242,26.65 36.199,26.65 37.26,25.589 37.26,24.99 ccw(c37.51,24.99) 37.76,24.99 37.76,25.693 ccw(c37.51,25.693) 37.687,25.87 36.48,27.077 ccw(c36.303,26.9) 36.303,27.15 34.77,27.15 34.77,42.386 35.182,42.798 36.86,42.798 ccw(c36.86,43.049) 37.11,43.049 ccw(c36.86,43.049) 36.86,43.299 35.079,43.299 ccw(c35.079,43.049) 34.901,43.226 34.902,43.226 34.343,42.667 ccw(c34.52,42.49) 34.27,42.49 34.27,27.15 31.138,27.15 ccw(c31.138,26.9) 30.961,27.077 30.423,26.539 ccw(c30.6,26.362) 30.35,26.362 30.35,22.988 27.235,22.988 ccw(c27.235,22.738) 27.235,22.487 30.35,22.487 30.35,13.592 27.232,13.592 ccw(c27.232,13.342)
  region net 5V: 26.229,9.587 ccw(c26.406,9.764) 26.406,9.513 56.102,9.513 56.73,8.886 56.73,6.478 ccw(c56.98,6.478) 57.23,6.478 57.23,8.99 ccw(c56.98,8.99) 57.157,9.167 56.383,9.941 ccw(c56.206,9.764) 56.206,10.014 26.51,10.014 25.816,10.709 25.816,45.308 26.897,46.39 31.995,46.39 ccw(c31.995,46.64) 32.245,46.64 ccw(c31.995,46.64) 31.995,46.89 26.794,46.89 ccw(c26.794,46.64) 26.617,46.817 25.388,45.588 25.388,45.589 ccw(c25.565,45.411) 25.315,45.411 25.315,10.605 ccw(c25.565,10.605) 25.388,10.428
  region net VIN: 25.11,2.77 29.948,2.77 cw(c30.09,2.45) 30.09,2.8 60.59,2.8 ccw(c60.59,4.99) 62.78,4.99 62.78,9.98 cw(c65.67,9.98) 65.67,12.87 68.39,12.87 ccw(c68.39,14.55) 70.07,14.55 70.07,34.942 cw(c71.898,34.942) 71.898,36.77 74.333,36.77 cw(c74.475,36.45) 74.825,36.45 cw(c74.445,36.45) 74.445,36.07 71.898,36.07 ccw(c71.898,34.942) 70.77,34.942 70.77,25.85 74.475,25.85 cw(c74.475,25.5) 74.825,25.5 cw(c74.475,25.5) 74.475,25.15 70.77,25.15 70.77,14.9 74.475,14.9 cw(c74.475,14.55) 74.825,14.55 cw(c74.475,14.55) 74.475,14.2 70.744,14.2 cw(c68.39,14.55) 68.39,12.17 65.67,12.17 ccw(c65.67,9.98) 63.48,9.98 63.48,4.99 cw(c60.59,4.99) 60.59,2.1 30.208,2.1 cw(c30.06,2.45) 30.06,2.07 25.11,2.07 cw(c25.11,3.62) 23.56,3.62 23.56,32.62 ccw(c22.59,32.62) 22.59,33.59 16.07,33.59 cw(c16.07,33.94) 16.07,34.29 22.59,34.29 cw(c22.59,32.62) 24.26,32.62 24.26,3.62 ccw(c25.11,3.62)
  pour cut-out: 66.5,6.5 cw(c66.5,9) 64,9 cw(c66.5,9) 66.5,11.5 cw(c66.5,9) 69,9 cw(c66.5,9)
  pour cut-out: 66.5,36.5 cw(c66.5,39) 64,39 cw(c66.5,39) 66.5,41.5 cw(c66.5,39) 69,39 cw(c66.5,39)

## Silkscreen, mask and mechanical layers (free items; w line width, h text height)
Top Overlay:
  circle w0.127: c66.5,9 r2.5
  circle w0.127: c66.5,39 r2.5
  lines w0.18: 38.189,14.51 38.189,16.335 50.94,16.335 50.94,14.51
  lines w0.2: 13.14,3.827 12.47,3.827 12.47,7.34 13.14,7.34 ; 18.23,10.68 19.05,10.68 19.05,20.76 18.23,20.76 ; 18.23,13.99 19.05,13.99 ; 18.23,17.27 19.05,17.27 ; 18.23,23.77 19.05,23.77 19.05,30.54 18.23,30.54 ; 18.23,27.335 19.05,27.335 ; 18.23,33.81 19.05,33.81 19.05,43.89 18.23,43.89 ; 18.23,37.215 19.05,37.215 ; 18.23,40.58 19.05,40.58
  lines w0.254: 72.928,10.51 70.63,10.51 70.63,15.59 72.928,15.59 ; 72.928,21.46 70.63,21.46 70.63,26.54 72.928,26.54 ; 72.928,32.41 70.63,32.41 70.63,37.49 72.928,37.49
  text "GND" at 15.01,44.95 h1.2
  text "TXD4" at 15.01,41.66 h1.2
  text "SS4" at 19.49,40.65 h2 r270
  text "RXD4" at 15.01,38.34 h1.2
  text "GND" at 72.2,37.92 h1.8
  text "VIN" at 15.01,34.99 h1.2
  text "SS3" at 72.36,33.45 h1.8 r90
  text "GND" at 15.01,31.66 h1.2
  text "TRACKER" at 19.49,31.66 h2 r270
  text "RXD" at 72.2,30.97 h1.8
  text "TXD" at 15.01,28.37 h1.2
  text "GND" at 72.2,27.16 h1.8
  text "RXD" at 15.01,25.03 h1.2
  text "SS2" at 72.36,22.76 h1.8 r90
  text "ADC" at 15.01,21.72 h1.2
  text "RXD" at 72.2,19.95 h1.8
  text "ALT1" at 15.01,18.38 h1.2
  text "INPUT" at 19.28,18.25 h2 r270
  text "GND" at 72.2,15.96 h1.8
  text "BT" at 38.8,15.1 h1.2
  text "GND" at 40.948,15.1 h1.2
  text "CLK" at 43.61,15.1 h1.2
  text "DIO" at 46.16,15.1 h1.2
  text "3V3" at 48.805,15.1 h1.2
  text "ALT2" at 15.01,15.07 h1.2
  text "GND" at 15.01,11.71 h1.2
  text "SS1" at 72.36,11.49 h1.8 r90
  text "RXD" at 72.2,9 h1.8
  text "POWER" at 10.399,8.633 h2 r270
  text "GND" at 15.01,8.55 h1.2
  text "VIN" at 15.02,5.2 h1.2
Bottom Overlay:
  text "CB2" at 40.54,42 h1.5
  text "RUN" at 25.23,41.98 h1.5
  text "CB1" at 34.22,41.98 h1.5
  text "CB4" at 54.52,41.98 h1.5
  text "CB3" at 48.22,41.93 h1.5
  text "VIN" at 75.31,37.97 h1.8
  text "TXD" at 75.35,30.96 h1.8
  text "VIN" at 75.35,27.14 h1.8
  text "TXD" at 75.23,19.92 h1.8
  text "VIN" at 75.33,16.01 h1.8
  text "TXD" at 75.36,8.98 h1.8
  text "HUB VACC-H2_240402" at 52.744,3.796 h3